# Altium PCB F103ZET6.PcbDoc (part 1 of 3)
Units mil, origin at the board's own origin, x right, y up, seen from the top; angles counter-clockwise.
Board outline 4625 x 2435 mil, 2 copper layers (Top Layer, Bottom Layer); 135 components, 144 nets, 623 pads, 269 vias.
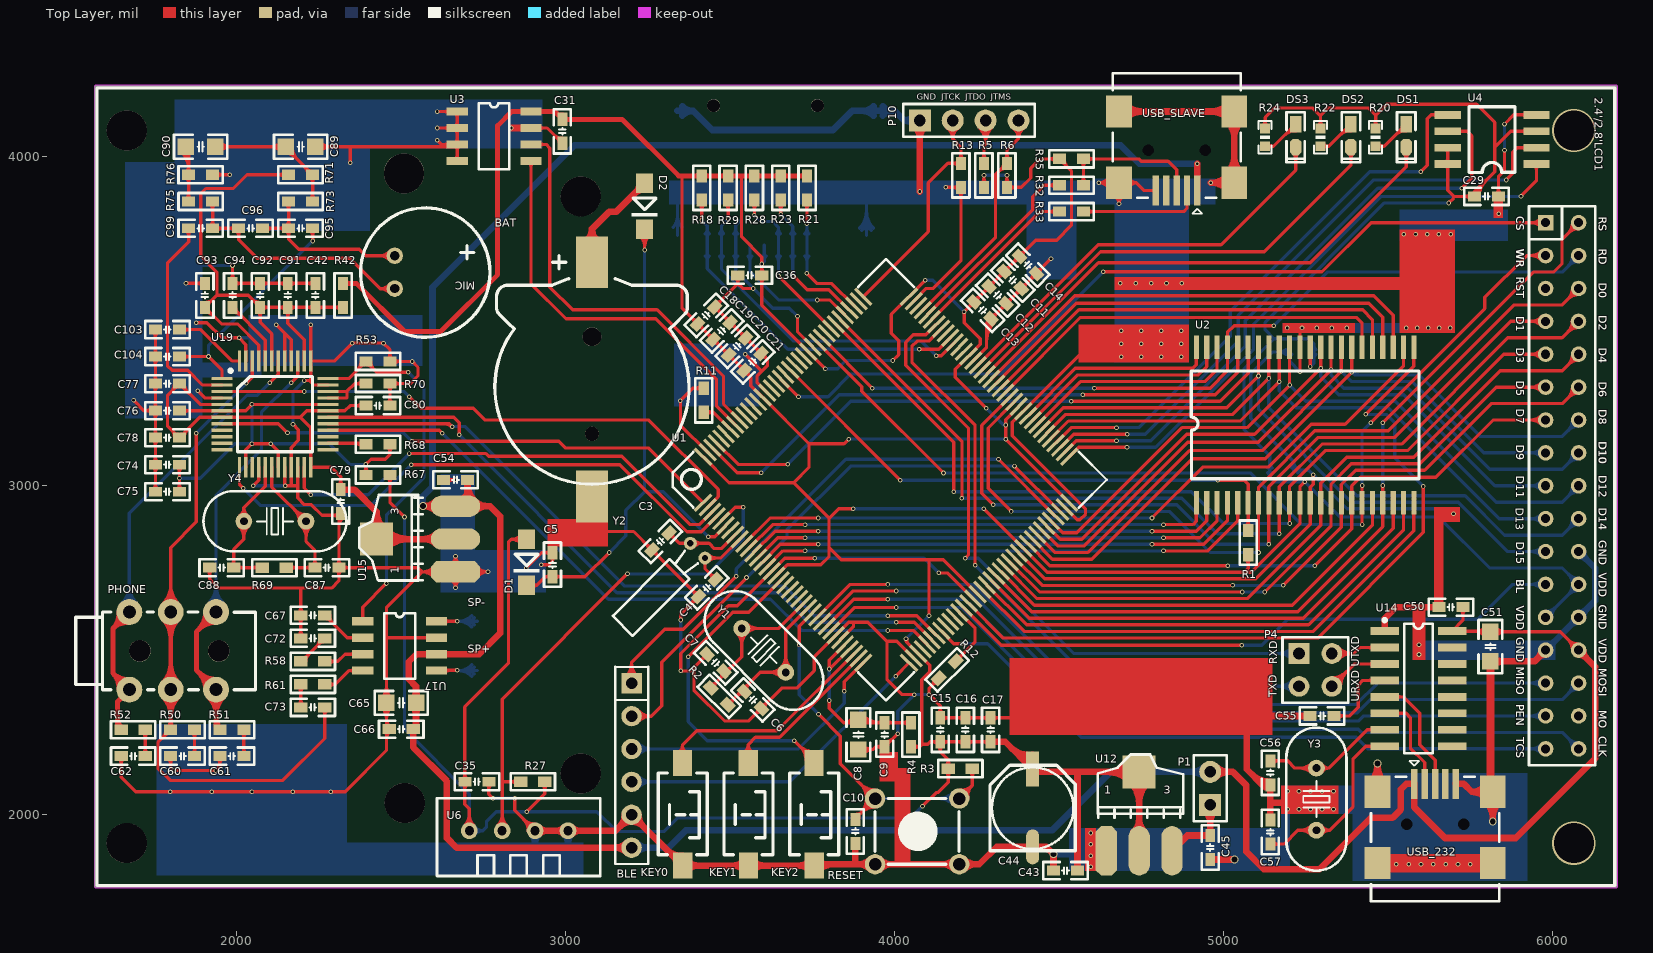
[diagram p0: Top Layer view]
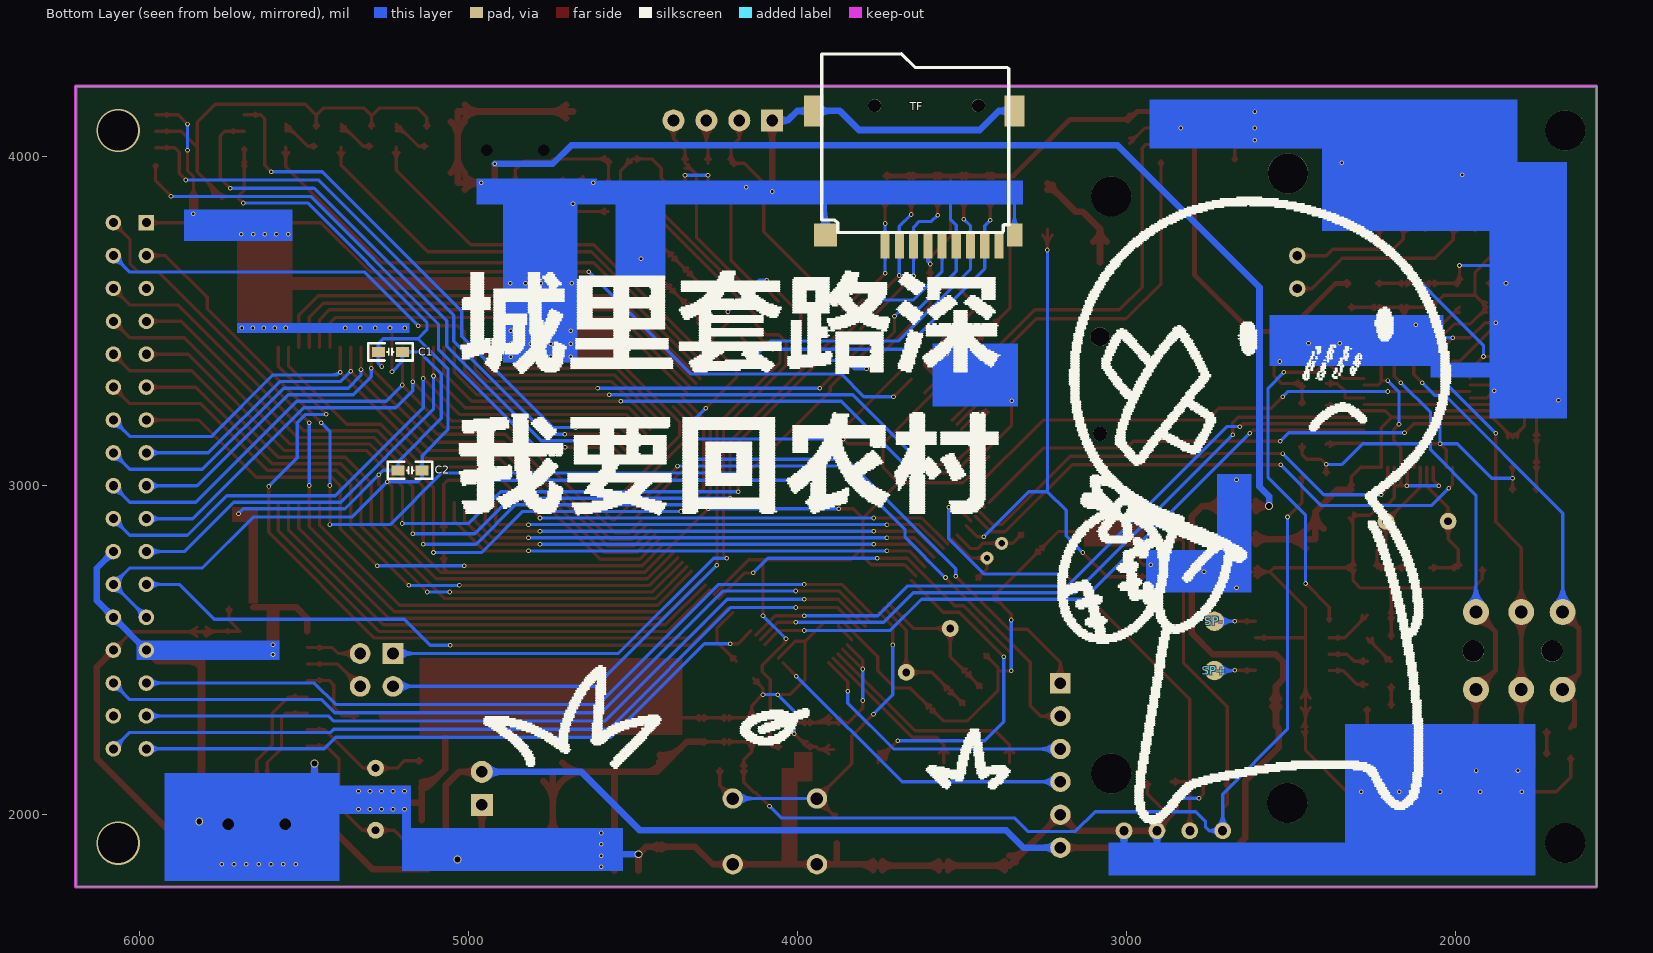
[diagram p1: Bottom Layer view, seen from below]

## Layer stack, top to bottom
Top Layer: signal copper 1.4
Dielectric: dielectric 12.6, FR-4, Dk 4.8
Bottom Layer: signal copper 1.4

## Board outline
1570,4215 1570,1780 6195,1780 6195,4215 1570,4215

## Design rules (kind name [scope] priority, off if disabled: settings)
Clearance [All] p1: gap=8
ComponentClearance [All] p1 off: gap=10 collisioncheckmode=3 verticalgap=10 showdistances=FALSE
HoleSize [All] p1: absolutevalues=TRUE maxlimit=200 minlimit=1 maxpercent=80.000 minpercent=20.000
MinimumSolderMaskSliver [All] p1: minsoldermaskwidth=0
PolygonConnect [All] p1: connectstyle=Relief reliefconductorwidth=10 reliefentries=4 polygonreliefangle="90 Angle"
RoutingVias [All] p1: holewidth=8 width=14 viastyle="Through Hole" minholewidth=8 minwidth=14 maxholewidth=48 maxwidth=54
ShortCircuit [All] p1: allowed=TRUE
SilkToSilkClearance [All] p1: silktosilkclearance=0
SilkscreenOverComponentPads [All] p1 off: minsilkscreentomaskgap=0
SolderMaskExpansion [All] p1: expansion=4
Width [All] p1: maxlimit=50 minlimit=8 preferedwidth=8 minimp=50.000000 maximp=50.000000 favimp=50.000000
22 further rules are at their usual default settings.

## Components (designator, comment, footprint, x,y, rotation, side; value= is the part's Value field where it differs from the comment)
2.4'/2.8'LCD1 "TFT_LCD" db2*17-4.3 5980,3800 r270 top locked
BAT "BATT" CR1220_A 3080,3300 r90 top
BLE "ATK MODULE" HEAD6 3200,2400 r270 top
C1 "104" "C 0603_M" 5238,3407 r0 bottom
C2 "104" "C 0603_M" 5178,3047 r180 bottom
C3 "10" "C 0603_M" 3288.28,2830.92 r45 top
C4 "10" "C 0603_M" 3429.71,2689.5 r225 top
C5 "104" "C 0603_M" 2960,2760 r270 top
C6 "22" "C 0603_M" 3569.4,2348.75 r135 top
C7 "22" "C 0603_M" 3456.26,2461.89 r315 top
C8 "10uF" "C 0805_M" 3890,2243 r90 top
C9 "104" "C 0603_M" 3970,2243 r90 top
C10 "104" "C 0603_M" 3881,1949 r90 top
C11 "104" "C 0603_M" 4359.6,3625.46 r135 top
C12 "104" "C 0603_M" 4313.73,3579.59 r135 top
C13 "104" "C 0603_M" 4267.86,3533.72 r135 top
C14 "104" "C 0603_M" 4405.46,3671.32 r135 top
C15 "104" "C 0603_M" 4139.2,2258 r270 top
C16 "104" "C 0603_M" 4215.6,2258 r270 top
C17 "104" "C 0603_M" 4292,2258 r270 top
C18 "104" "C 0603_M" 3427.37,3518.29 r225 top
C19 "104" "C 0603_M" 3474.51,3471.15 r225 top
C20 "104" "C 0603_M" 3521.65,3424.01 r225 top
C21 "104" "C 0603_M" 3568.79,3376.87 r225 top
C29 "104" "C 0603_M" 5800,3880 r0 top
C31 "104" "C 0603_M" 2990,4078 r270 top
C35 "104" "C 0603_M" 2730,2100 r180 top
C36 "104" "C 0603_M" 3560,3640 r0 top
C42 "104" "C 0603_M" 2239,3579 r270 top
C43 "104" "C 0603_M" 4520,1830 r0 top
C44 "220uF" "CT 6*6 - C" 4420,2020 r90 top
C45 "104" "C 0603_M" 4960,1900 r90 top
C50 "104" "C 0603_M" 5692,2631 r180 top
C51 "10uF" "C 0805_M" 5812,2511 r270 top
C54 "104" "C 0603_M" 2665,3018 r180 top
C55 "104" "C 0603_M" 5300,2300 r0 top
C56 "22" "C 0603_M" 5143,2127 r90 top
C57 "22" "C 0603_M" 5143,1947 r90 top
C60 "103" "C 0603_M" 1835,2178 r0 top
C61 "103" "C 0603_M" 1985,2178 r0 top
C62 "473" "C 0603_M" 1685,2178 r0 top
C65 "10uF" "C 0805_M" 2500,2340 r0 top
C66 "104" "C 0603_M" 2500,2260 r0 top
C67 "1uF" "C 0603_M" 2231,2606 r0 top
C72 "104" "C 0603_M" 2231,2536 r0 top
C73 "1uF" "C 0603_M" 2231,2326 r180 top
C74 "104" "C 0603_M" 1789,3064.17 r0 top
C75 "104" "C 0603_M" 1789,2982 r0 top
C76 "104" "C 0603_M" 1789,3228.5 r0 top
C77 "104" "C 0603_M" 1789,3310.67 r180 top
C78 "104" "C 0603_M" 1789,3146.33 r180 top
C79 "104" "C 0603_M" 2316,2952 r270 top
C80 "104" "C 0603_M" 2429,3244 r180 top
C87 "22" "C 0603_M" 2274,2751 r180 top
C88 "22" "C 0603_M" 1954,2751 r0 top
C89 "10uF" "C 0805_M" 2194,4031 r180 top
C90 "10uF" "C 0805_M" 1890,4031 r0 top
C91 "104" "C 0603_M" 2155,3579 r270 top
C92 "104" "C 0603_M" 2071,3579 r270 top
C93 "104" "C 0603_M" 1903,3579 r270 top
C94 "1uF" "C 0603_M" 1987,3579 r90 top
C95 "1uF" "C 0603_M" 2194,3783 r0 top
C96 "101" "C 0603_M" 2042,3783 r0 top
C99 "1uF" "C 0603_M" 1890,3783 r0 top
C103 "103" "C 0603_M" 1789,3475 r0 top
C104 "103" "C 0603_M" 1789,3392.83 r0 top
D1 "1N4148" DIODE_SOP 2881,2837 r270 top
D2 "1N4148" DIODE_SOP 3240,3920 r270 top
DS1 "LED1" "LED 0603R" 5555.94,4065 r270 top
DS2 "LED1" "LED 0603R" 5387.86,4065 r270 top
DS3 "LED1" "LED 0603R" 5219.78,4065 r270 top
KEY0 "KEY_M" "TSW SMD-3*6*2.5" 3356,2000 r270 top
KEY1 "KEY_M" "TSW SMD-3*6*2.5" 3556,2000 r270 top
KEY2 "KEY_M" "TSW SMD-3*6*2.5" 3756,2000 r270 top
MIC "MIC" MIC 2480,3700 r270 top
P1 "SWITCH" HDR2.54-LI-2P 4960,2080 r90 top
P4 "USART1" HDR2.54-LI-2x2P 5280,2440 r270 top
P10 "Header 4" HDR2.54-LI-4P 4227,4111 r0 top
PHONE "PHONE_M" PHONE_ST 1805,2498 r180 top
R1 "10K" "R 0603_M" 5075.46,2827 r270 top
R2 "1M" "R 0603_M" 3466.87,2359.36 r135 top
R3 "10K" "R 0603_M" 4200,2140 r180 top
R4 "10R" "R 0603_M" 4050,2243 r270 top
R5 "10K" "R 0603_M" 4272,3944 r270 top
R6 "10K" "R 0603_M" 4342,3944 r270 top
R11 "10K" "R 0603_M" 3420,3260 r90 top
R12 "10K" "R 0603_M" 4160,2440 r225 top
R13 "10K" "R 0603_M" 4202,3944 r270 top
R18 "47K" "R 0603_M" 3414,3906 r90 top
R20 "510" 0603P 5463.22,4060 r270 top
R21 "47K" "R 0603_M" 3734,3906 r90 top
R22 "510" 0603P 5295.14,4060 r270 top
R23 "47K" "R 0603_M" 3654,3906 r90 top
R24 "510" 0603P 5127.06,4060 r270 top
R27 "4.7K" "R 0603_M" 2900,2100 r180 top
R28 "47K" "R 0603_M" 3574,3906 r90 top
R29 "47K" "R 0603_M" 3494,3906 r90 top
R32 "10R" "R 0603_M" 4538,3914 r180 top
R33 "10R" "R 0603_M" 4538,3834 r180 top
R35 "1.5K" "R 0603_M" 4538,3994 r180 top
R42 "10" "R 0603_M" 2323,3579 r90 top
R50 "10R" "R 0603_M" 1835,2258 r180 top
R51 "10R" "R 0603_M" 1985,2258 r180 top
R52 "10R" "R 0603_M" 1685,2258 r180 top
R53 "10K" "R 0603_M" 2429,3378 r180 top
R58 "10K" "R 0603_M" 2231,2466 r0 top
R61 "10K" "R 0603_M" 2231,2396 r0 top
R67 "0" "R 0603_M" 2429,3033 r0 top
R68 "100K" "R 0603_M" 2429,3126.33 r0 top
R69 "1M" "R 0603_M" 2114,2751 r180 top
R70 "100K" "R 0603_M" 2429,3311 r180 top
R71 "1K" "R 0603_M" 2194,3946 r180 top
R73 "1K" "R 0603_M" 2194,3864.5 r0 top
R75 "1K" "R 0603_M" 1890,3864.5 r0 top
R76 "1K" "R 0603_M" 1890,3946 r0 top
RESET "KEY_M" KEY_M 3941,2049 r0 top
SP+ "SPK+" TP-1.5#1 2732,2435 r270 top
SP- "SPK-" TP-1.5#2 2732,2595 r0 top
TF "TF_CARD" TF_CARD 3340,4140 r0 bottom
U1 "STM32F103ZET6" LQFP144 3418,2949 r45 top locked
U2 "IS62WV51216" TSOP44 4918,2949 r90 top locked
U3 "24C02" SOP-8 2670,4138 r0 top
U4 "W25Q128" SOIC-8 5952,3978 r180 top
U6 "DHT11&DS18B20" DHT11 2707,1951 r0 top
U12 "AMS1117-3.3" AMS1117 4644,1890 r0 top
U14 "CH340G" SOP16M 5593,2383 r270 top
U15 "AMS1117-1.8" AMS1117 2665,2738 r90 top
U17 "HT6872" SOP-8 2383,2588 r0 top
U19 "VS1053B" mTQFP48 2121,3275 r0 top locked
USB_232 "USB" USB-MINI-A 5644,1971 r0 top
USB_SLAVE "USB" USB-MINI-A 4858,4020 r180 top
Y1 "8MHz" "OSC HC-49S" 3602.64,2499.36 r135 top
Y2 "32.768K" OSC-2x6-WI-A 3401.42,2802.63 r135 top
Y3 "12MHz" "OSC HC-49S" 5283,2047 r270 top
Y4 "12.288MHz" "OSC HC-49S" 2116,2892 r180 top

## Footprints (in the part's own frame and the unit in brackets; to place one, negate y for a bottom-side part, rotate by r counter-clockwise, add the part's x,y. Pads: shape width x height; smd on the part's side, far side on the other; paste and mask are expansions set on the pad)
0603P [mil]
  rect 30x30 smd: 1(-27,0) 2(27.5,-0.06)
  silkscreen extent -50,-20 50,20
AMS1117 [mil]
  oct 65x150 smd: 1(0.03,-0.06)
  oval 65x150 smd: 2(100.03,-0.06) 3(200.03,-0.06)
  rect 100x100 smd: 4(100.03,239.94)
  silkscreen extent -26,100 234,293
"C 0603_M" [mil] "无极性贴片电容"
  rect 40x30 smd: 1(-36.5,0) 2(36.5,0)
  silkscreen extent -67,-26 68,26, body extent -31,-16 31,16, height 32
"C 0805_M" [mil] "无极性贴片电容"
  rect 50x50 smd: 1(-45,0) 2(45,0)
  silkscreen extent -81,-36 81,36, body extent -39,-24 39,24, height 20
CR1220_A [mm] "纽扣电池座"
  round 1.1 hole 1.1: 0(-3.6,0)
  round 1.45 hole 1.45: 0(3.9,0)
  rect 4x2.5 smd: 1(9.652,0) 2(-8.458,0)
  silkscreen extent -7.5,-7.5 10.16,7.5, body extent -9.42,-7.45 10.34,7.45, height 4.05
"CT 6*6 - C" [mm] "直径6mm，高6mm"
  rect 2.7x1 smd: 1(3,0)
  oval 2.7x1 smd: 2(-3,0)
  silkscreen extent -3.3,-3.3 3.3,3.3, body extent -3.5,-3.15 3.5,3.15, height 6
db2*17-4.3 [mm]
  rect 1.2x1.2 hole 0.7: 1(-0.002,0.006)
  round 1.2 hole 0.7: 2(-0.002,2.546) 3(2.538,0.006) 4(2.538,2.546) 5(5.08,0) 6(5.078,2.546) 7(7.62,0) 8(7.62,2.54) 9(10.158,0.006) 10(10.158,2.546) 11(12.698,0.006) 12(12.698,2.546) 13(15.238,0.006) 14(15.238,2.546) 15(17.778,0.006) 16(17.778,2.546) 17(20.318,0.006) 18(20.318,2.546) 19(22.858,0.006) 20(22.858,2.546) 21(25.398,0.006) 22(25.398,2.546) 23(27.938,0.006) 24(27.938,2.546) 25(30.478,0.006) 26(30.478,2.546) 27(33.018,0.006) 28(33.018,2.546) 29(35.558,0.006) 30(35.558,2.546) 31(38.098,0.006) 32(38.098,2.546) 33(40.638,0.006) 34(40.638,2.546)
  round 3.1 hole 3.1: ""(-7.125,-109.596) ""(-3.81,-88.18) ""(-2.037,-74.525) ""(42.54,-74.525) ""(44.82,-88.12) ""(47.925,-109.596)
  silkscreen extent -10.4,-111.89 51.19,5.33
DHT11 [mm]
  round 1.3 hole 0.7: 1(0,0) 2(2.54,0) 3(5.08,0) 4(7.62,0)
  silkscreen extent -2.5,-3.5 10.12,2.5
DIODE_SOP [mm]
  rect 1.5x1.3 smd: 1(0,0) 2(3.556,0)
  silkscreen extent 1.14,-1.02 2.56,1.02
HDR2.54-LI-2P [mm] "排针，2脚"
  rect 1.7x1.7 hole 0.9: 1(-1.27,0)
  round 1.7 hole 0.9: 2(1.27,0)
  silkscreen extent -2.54,-1.27 2.54,1.27, body extent -2.54,-1.27 2.54,1.27, height 8.5
HDR2.54-LI-2x2P [mm] "双排排针，2x2脚"
  rect 1.6x1.6 hole 0.9: 1(-1.27,-1.27)
  round 1.6 hole 0.9: 2(-1.27,1.27) 3(1.27,-1.27) 4(1.27,1.27)
  silkscreen extent -2.54,-2.54 2.54,2.54, body extent -2.54,-2.54 2.54,2.54, height 8.5
HDR2.54-LI-4P [mm] "排针，4脚"
  rect 1.7x1.7 hole 0.9: 1(-3.81,0)
  round 1.7 hole 0.9: 2(-1.27,0) 3(1.27,0) 4(3.81,0)
  silkscreen extent -5.08,-1.27 5.08,1.27, body extent -5.08,-1.27 5.08,1.27, height 8.5
HEAD6 [mil]
  rect 62x62 hole 35: 1(0.42,0.42)
  round 62 hole 35: 2(100.42,0.42) 3(200.42,0.42) 4(300.42,0.42) 5(400.42,0.42) 6(500.42,0.42)
  silkscreen extent -50,-50 550,51
KEY_M [mil]
  round 62 hole 38: 1(0,0) 1(255.91,0) 2(0,-200) 2(255.91,-200)
  silkscreen extent 0,-200 255,0
"LED 0603R" [mil] "红色0603LED"
  rect 50x35 smd: 1(-35,0.26)
  oct 50x35 smd: 2(35,0.26)
  silkscreen extent -71,-28 81,28, body extent -31,-16 31,16, height 24
LQFP144 [mil]
  rect 70.87x10 smd: 1(-0.36,0.02) 2(-0.35,-19.66) 3(-0.35,-39.35) 4(-0.35,-59.03) 5(-0.35,-78.72) 6(-0.35,-98.4) 7(-0.35,-118.09) 8(-0.35,-137.77) 9(-0.35,-157.46) 10(-0.35,-177.14) 11(-0.35,-196.83) 12(-0.36,-216.51) 13(-0.35,-236.2) 14(-0.35,-255.88) 15(-0.35,-275.57) 16(-0.35,-295.25) 17(-0.35,-314.94) 18(-0.35,-334.62) 19(-0.35,-354.31) 20(-0.35,-373.99) 21(-0.36,-393.68) 22(-0.35,-413.36) 23(-0.35,-433.05) 24(-0.35,-452.73) 25(-0.35,-472.42) 26(-0.35,-492.1) 27(-0.35,-511.79) 28(-0.35,-531.47) 29(-0.35,-551.16) 30(-0.35,-570.84) 31(-0.35,-590.53) 32(-0.36,-610.21) 33(-0.35,-629.9) 34(-0.35,-649.58) 35(-0.35,-669.27) 36(-0.35,-688.95) 73(885.47,-688.95) 74(885.47,-669.27) 75(885.47,-649.58) 76(885.47,-629.9) 77(885.47,-610.21) 78(885.47,-590.53) 79(885.47,-570.84) 80(885.47,-551.16) 81(885.47,-531.47) 82(885.47,-511.79) 83(885.47,-492.1) 84(885.47,-472.42) 85(885.47,-452.73) 86(885.47,-433.05) 87(885.47,-413.36) 88(885.47,-393.68) 89(885.47,-373.99) 90(885.47,-354.31) 91(885.47,-334.62) 92(885.47,-314.94) 93(885.47,-295.25) 94(885.47,-275.57) 95(885.47,-255.88) 96(885.47,-236.2) 97(885.47,-216.51) 98(885.47,-196.83) 99(885.47,-177.14) 100(885.47,-157.46) 101(885.47,-137.77) 102(885.47,-118.09) 103(885.47,-98.4) 104(885.47,-78.72) 105(885.47,-59.03) 106(885.47,-39.35) 107(885.47,-19.66) 108(885.47,0.02)
  rect 10x70.87 smd: 37(98.07,-787.37) 38(117.76,-787.38) 39(137.44,-787.38) 40(157.13,-787.38) 41(176.81,-787.38) 42(196.5,-787.38) 43(216.18,-787.38) 44(235.87,-787.38) 45(255.55,-787.38) 46(275.24,-787.38) 47(294.92,-787.37) 48(314.61,-787.37) 49(334.29,-787.38) 50(353.98,-787.38) 51(373.66,-787.38) 52(393.35,-787.38) 53(413.03,-787.38) 54(432.72,-787.38) 55(452.4,-787.38) 56(472.09,-787.38) 57(491.77,-787.37) 58(511.46,-787.37) 59(531.14,-787.38) 60(550.83,-787.38) 61(570.51,-787.38) 62(590.2,-787.38) 63(609.88,-787.38) 64(629.57,-787.38) 65(649.25,-787.38) 66(668.94,-787.38) 67(688.62,-787.37) 68(708.31,-787.37) 69(727.99,-787.38) 70(747.68,-787.38) 71(767.36,-787.38) 72(787.05,-787.38) 109(787.05,98.45) 110(767.36,98.45) 111(747.68,98.45) 112(727.99,98.45) 113(708.31,98.45) 114(688.62,98.45) 115(668.94,98.45) 116(649.25,98.45) 117(629.57,98.45) 118(609.88,98.45) 119(590.2,98.45) 120(570.51,98.45) 121(550.83,98.45) 122(531.14,98.45) 123(511.46,98.45) 124(491.77,98.45) 125(472.09,98.45) 126(452.4,98.45) 127(432.72,98.45) 128(413.03,98.45) 129(393.35,98.45) 130(373.66,98.45) 131(353.98,98.45) 132(334.29,98.45) 133(314.61,98.45) 134(294.92,98.45) 135(275.24,98.45) 136(255.55,98.45) 137(235.87,98.45) 138(216.18,98.45) 139(196.5,98.45) 140(176.81,98.45) 141(157.13,98.45) 142(137.44,98.45) 143(117.76,98.45) 144(98.07,98.45)
  silkscreen extent -32,-819 917,130
MIC [mil]
  round 50 hole 28: 1(0.42,0.29) 2(100.42,0.29)
  silkscreen extent -145,-103 248,290
mTQFP48 [mm]
  rect 1.6x0.254 smd: 1(-4.223,1.3) 2(-4.223,0.8) 3(-4.223,0.3) 4(-4.223,-0.2) 5(-4.223,-0.7) 6(-4.223,-1.2) 7(-4.223,-1.7) 8(-4.223,-2.2) 9(-4.223,-2.7) 10(-4.223,-3.2) 11(-4.223,-3.7) 12(-4.223,-4.2) 25(3.977,-4.2) 26(3.977,-3.7) 27(3.977,-3.2) 28(3.977,-2.7) 29(3.977,-2.2) 30(3.977,-1.7) 31(3.977,-1.2) 32(3.977,-0.7) 33(3.977,-0.2) 34(3.977,0.3) 35(3.977,0.8) 36(3.977,1.3)
  rect 0.254x1.6 smd: 13(-2.873,-5.55) 14(-2.373,-5.55) 15(-1.873,-5.55) 16(-1.373,-5.55) 17(-0.873,-5.55) 18(-0.373,-5.55) 19(0.127,-5.55) 20(0.627,-5.55) 21(1.127,-5.55) 22(1.627,-5.55) 23(2.127,-5.55) 24(2.627,-5.55) 37(2.627,2.65) 38(2.127,2.65) 39(1.627,2.65) 40(1.127,2.65) 41(0.627,2.65) 42(0.127,2.65) 43(-0.373,2.65) 44(-0.873,2.65) 45(-1.373,2.65) 46(-1.873,2.65) 47(-2.373,2.65) 48(-2.873,2.65)
  silkscreen extent -3.68,-4.35 2.78,2.03
"OSC HC-49S" [mm]
  round 1.3 hole 0.6: 1(-2.4,0) 2(2.4,0)
  silkscreen extent -5.52,-2.32 5.52,2.33, body extent -6.49,-6.49 6.49,6.49, height 4.13
OSC-2x6-WI-A [mm] "脚距：1.6mm"
  round 1 hole 0.5: 1(0.8,0) 2(-0.8,0)
  silkscreen extent -1.1,0.7 1.07,8.2, body extent -4.95,-1.01 4.95,8.88, height 2.05
PHONE_ST [mm]
  round 1.676 hole 1.676: 0(-3.556,0) 0(2.54,0)
  round 2 hole 1: 1(-3.35,3) 1(-3.35,-3) 2(0.15,3) 2(0.15,-3) 3(3.35,3) 3(3.35,-3)
  silkscreen extent -6.39,-3.01 7.49,3
"R 0603_M" [mil] "1/10W贴片电阻"
  rect 40x31.5 smd: 1(-36.5,0) 2(36.5,0)
  silkscreen extent -68,-26 67,26, body extent -31,-16 31,16, height 16
SOIC-8 [mil]
  rect 80x24 smd: 1(0,0) 2(0,-50.06) 3(0,-100.06) 4(0,-150.06) 5(270,-150) 6(270,-100) 7(270,-50) 8(270,0)
  silkscreen extent 65,-175 205,25
SOP16M [mm]
  rect 0.6x2.2 smd: 1(-4.445,-2.6) 2(-3.175,-2.6) 3(-1.905,-2.6) 4(-0.635,-2.6) 5(0.635,-2.6) 6(1.905,-2.6) 7(3.175,-2.6) 8(4.445,-2.6) 9(4.445,2.6) 10(3.175,2.6) 11(1.905,2.6) 12(0.635,2.6) 13(-0.635,2.6) 14(-1.905,2.6) 15(-3.175,2.6) 16(-4.445,2.6)
  silkscreen extent -5.42,-2.72 5,1.1
SOP-8 [mil]
  rect 65x25 smd: 1(0,0) 2(0,-50) 3(0,-100) 4(0,-150) 5(224.41,-150) 6(224.41,-100) 7(224.41,-50) 8(224.41,0)
  silkscreen extent 65,-175 159,25
TF_CARD [mm]
  rect 0.7x2.1 smd: 1(10,10.35) 2(8.9,10.35) 3(7.8,10.35) 4(6.7,10.35) 5(5.6,10.35) 6(4.5,10.35) 7(3.4,10.35) 8(2.3,10.35) 9(1.2,10.35)
  rect 1.2x1.778 smd: 10(0,9.6)
  rect 1.524x2.413 smd: 11(0,0) 12(15.5,0)
  rrect0% 1.778x1.778 smd: 13(14.6,9.6)
  round 1 hole 1: 14(10.8,-0.4) 15(2.8,-0.4)
  silkscreen extent 0.41,-4.42 14.88,9.4
TP-1.5#1 [mm]
  round 1.5 smd far side: 1(-0.076,0)
TP-1.5#2 [mm]
  round 1.5 smd far side: 1(0,-0.178)
TSOP44 [mm]
  rect 1.8x0.4 smd: 1(-0.009,0.001) 2(-0.009,-0.799) 3(-0.009,-1.599) 4(-0.009,-2.399) 5(-0.009,-3.199) 6(-0.009,-3.999) 7(-0.009,-4.799) 8(-0.009,-5.599) 9(-0.009,-6.399) 10(-0.009,-7.199) 11(-0.009,-7.999) 12(-0.009,-8.799) 13(-0.009,-9.599) 14(-0.009,-10.399) 15(-0.009,-11.199) 16(-0.009,-11.999) 17(-0.009,-12.799) 18(-0.009,-13.599) 19(-0.009,-14.399) 20(-0.009,-15.199) 21(-0.009,-15.999) 22(-0.009,-16.799) 23(11.991,-16.799) 24(11.991,-15.999) 25(11.991,-15.199) 26(11.991,-14.399) 27(11.991,-13.599) 28(11.991,-12.799) 29(11.991,-11.999) 30(11.991,-11.199) 31(11.991,-10.399) 32(11.991,-9.599) 33(11.991,-8.799) 34(11.991,-7.999) 35(11.991,-7.199) 36(11.991,-6.399) 37(11.991,-5.599) 38(11.991,-4.799) 39(11.991,-3.999) 40(11.991,-3.199) 41(11.991,-2.399) 42(11.991,-1.599) 43(11.991,-0.799) 44(11.991,0.001)
  silkscreen extent 1.83,-17.2 10.16,0.4
"TSW SMD-3*6*2.5" [mm] "3*6*2.5mm"
  rect 2x1.5 smd: 1(-3.996,-0.02) 2(3.937,0)
  silkscreen extent -3.21,-1.9 3.09,1.9, body extent -4,-1.88 4,1.62, height 2.59
USB-MINI-A [mm] "MINI型USB，7.9*7.5*4.1mm"
  rect 0.5x2.3 smd: 1(-1.6,3.108) 2(-0.8,3.108) 3(0,3.108) 4(0.8,3.108) 5(1.6,3.108)
  rect 2x2.5 smd: 5(-4.45,-3) 5(-4.45,2.5) 5(4.45,-3) 5(4.45,2.5)
  round 0.6 hole 0.9 unplated: MH1(2.2,0) MH2(-2.2,0)
  silkscreen extent -4.95,-5.95 4.95,4.89, body extent -4.75,-6 4.75,3.7, height 3.95

## Part data
BAT: library part BAT
BLE: library part ATK-HC05, "ATK-HC05"
C1 C2 C3 C4 C5 C6 C7 C8 C9 C10 C11 C12 C13 C14 C15 C16 C17 C18 C19 C20 C21 C29 C31 C35 C36 C42 C43 C45 C50 C51 C54 C55 C56 C57 C60 C61 C62 C65 C66 C67 C72 C73 C74 C75 C76 C77 C78 C79 C80 C87 C88 C89 C90 C91 C92 C93 C94 C95 C96 C99 C103 C104: library part C
C44: library part CAP
D1 D2: library part D
DS1 DS2 DS3: library part LED2, "Typical RED, GREEN, YELLOW, AMBER GaAs LED"
P1: library part "Header 2", "Header, 2-Pin"
P4: library part "Header 2X2", "Header, 2-Pin, Dual row"
P10: "Header, 4-Pin"
R1 R2 R3 R4 R5 R6 R11 R12 R13 R18 R20 R21 R22 R23 R24 R27 R28 R29 R32 R33 R35 R42 R50 R51 R52 R53 R58 R61 R67 R68 R69 R70 R71 R73 R75 R76: library part R
SP+ SP-: library part TEST-POINT, "测试点"
U2: library part IS61LV51216
U3: library part 24C256
U4: library part W25X16, "W25X16;SST25VF016;MX25L1605"
U6: library part DHT11, "数字温湿度传感器"
U12 U15: library part AMS1117
U14: "USB2UART"
U17: library part HT6871, "HT6871"
U19: library part VS1053
USB_232 USB_SLAVE: library part USB5
Y1 Y2 Y3 Y4: library part XTAL, "Crystal Oscillator"

## Via types
v1: diameter 14, hole 8, Top Layer to Bottom Layer, 262 vias
v2: diameter 24, hole 18, Top Layer to Bottom Layer, 5 vias
v3: diameter 132, hole 122.05, Top Layer to Bottom Layer, 2 vias

## Nets (pads, with @x,y where several pads share a name; then routed paths per layer and width w, separated by ;. In a path a pad name is that pad's centre, name@x,y a point inside that pad or via, vN(x,y) a via of type N, cw(c..) or ccw(c..) an arc to the next point about the centre after c; other vN are vias at no path point)
AVDD: C42.2 C91.2 C92.2 C93.2 R42.1 R71.2 U19.38 U19.43 U19.45 | length 2153.6
  Top Layer w10: C93.2@1903,3527.5 cw(c1903,3491.29) 1928.61,3516.89 ; C93.2@1903,3557.5 ccw(c1903,3593.71) 1928.61,3568.11 ; C93.2@1913,3537.5 ccw(c1925.07,3537.5) C93.2@1916.53,3528.96 ; C93.2@1913,3547.5 cw(c1925.07,3547.5) C93.2@1916.53,3556.04 ; 2045.39,3568.11 ccw(c2071,3593.71) C92.2@2071,3557.5 ; C92.2@2057.46,3556.04 cw(c2048.93,3547.5) C92.2@2061,3547.5 ; C92.2@2063.93,3530.43 cw(c2046.86,3513.36) 2071,3513.36 cw(c2095.14,3513.36) C92.2@2078.07,3530.43 ; U19.45@2066.95,3379.33 2066.95,3428.05 2003,3492 1953.5,3492 C93.2@1903,3542.5 1939.5,3579 ; C92.2@2078.07,3535.43 cw(c2095.14,3518.36) 2095.14,3542.5 cw(c2095.14,3566.64) C92.2@2078.07,3549.57 ; U19.43@2106.32,3379.33 2106.32,3461.68 2071,3497 C92.2@2071,3542.5 ; R71.2@2145.65,3938.4 ccw(c2127.3,3920.05) 2127.3,3946 ccw(c2127.3,3971.95) R71.2@2145.65,3953.6 ; C91.2@2147.93,3530.43 cw(c2130.86,3513.36) 2155,3513.36 cw(c2179.14,3513.36) C91.2@2162.07,3530.43 ; C91.2@2147.93,3535.43 ccw(c2130.86,3518.36) 2130.86,3542.5 ccw(c2130.86,3566.64) C91.2@2147.93,3549.57 ; R71.2@2157.5,3946 2031,3946 1989,3904 1906,3904 1890,3888 1890,3699 1939.5,3649.5 1939.5,3579 ; C91.2@2162.07,3535.43 cw(c2179.14,3518.36) 2179.14,3542.5 cw(c2179.14,3566.64) C91.2@2162.07,3549.57 ; U19.38@2204.74,3379.33 2204.74,3444.26 2155,3494 C91.2@2155,3542.5 ; C42.2@2231.93,3535.43 ccw(c2214.86,3518.36) 2214.86,3542.5 ccw(c2214.86,3566.64) C42.2@2231.93,3549.57 ; C42.2@2246.07,3535.43 cw(c2263.14,3518.36) 2263.14,3542.5 cw(c2263.14,3566.64) C42.2@2246.07,3549.57 ; R42.1@2315.4,3534.9 ccw(c2297.05,3516.55) 2297.05,3542.5 ccw(c2297.05,3568.45) R42.1@2315.4,3550.1 ; R42.1@2323,3542.5 C42.2@2239,3542.5 C91.2@2155,3542.5 ; 1939.5,3579 2034.5,3579 C92.2@2071,3542.5 ; C92.2@2071,3542.5 C91.2@2155,3542.5
BEEP: U1.129
BOOT0: R11.1 U1.138 | length 143.6
  Top Layer w10: R11.1@3420,3223.5 3449.23,3223.5 U1.138@3501.25,3171.48 ; R11.1@3427.6,3215.9 cw(c3445.95,3197.55) 3445.95,3223.5 cw(c3445.95,3249.45) R11.1@3427.6,3231.1
BOOT1: R12.1 U1.48 | length 234
  Top Layer w10: R12.1@4185.81,2465.81 4245,2525 4245,2566.92 U1.48@4197.22,2614.7 ; R12.1@4188.82,2479.56 ccw(c4188.82,2505.51) 4207.16,2487.16 ccw(c4225.51,2468.82) R12.1@4199.56,2468.82
CH340_RXD: P4.4 U14.3 | length 377.7
  Top Layer w10: P4.4@5330,2390 5398,2458 U14.3@5490.64,2458 ; P4.4@5330,2406.5 ccw(c5330,2446.32) 5358.16,2418.16 ccw(c5386.32,2390) P4.4@5346.5,2390 ; P4.4@5330,2416.5 ccw(c5330,2480.46) 5375.23,2435.23 ccw(c5420.46,2390) P4.4@5356.5,2390 ; U14.3@5454.33,2453.18 ccw(c5442.7,2441.56) 5442.7,2458 ccw(c5442.7,2474.44) U14.3@5454.33,2462.82
CH340_TXD: P4.2 U14.2 | length 357
  Top Layer w10: P4.2@5330,2490 5397,2490 5415,2508 U14.2@5490.64,2508 ; P4.2@5341.66,2478.34 cw(c5369.82,2450.18) 5369.82,2490 cw(c5369.82,2529.82) P4.2@5341.66,2501.66 ; P4.2@5348.74,2471.26 cw(c5393.97,2426.03) 5393.97,2490 cw(c5393.97,2553.97) P4.2@5348.74,2508.74 ; U14.2@5454.33,2503.18 ccw(c5442.7,2491.56) 5442.7,2508 ccw(c5442.7,2524.44) U14.2@5454.33,2512.82
DHT11: R27.2 U1.5 U6.2 | length 1689.4
  Top Layer w10: U6.2@2792.44,1965.56 ccw(c2757.29,2000.71) 2807,2000.71 ccw(c2856.71,2000.71) U6.2@2821.56,1965.56 ; U6.2@2807,1951 2807,2351 v1(3188,2732) ; 2808,2100 R27.2@2863.5,2100 ; R27.2@2851.65,2092.4 ccw(c2833.3,2074.05) 2833.3,2100 ccw(c2833.3,2125.95) R27.2@2851.65,2107.6 ; U1.5@3473.41,2893.09 3515.32,2935 v1(3540,2935)
  Bottom Layer w10: v1(3188,2732) 3433,2732 3540,2839 v1(3540,2935)
F_CS: U1.73 U4.1 | length 1890.9
  Top Layer w10: U1.73@4531.29,3087.96 4560.33,3117 v1(4707,3117) ; v1(5905,3880) 5952,3927 U4.1@5952,3978 ; U4.1@5947.05,3973.05 cw(c5935.1,3961.1) 5952,3961.1 cw(c5968.9,3961.1) U4.1@5956.95,3973.05
  Bottom Layer w10: v1(4707,3117) 4794,3117 5092,3415 5092,3492 5480,3880 v1(5905,3880)
FSMC_A0: U1.10 U2.24 | length 2285.6
  Top Layer w10: U1.10@3543.01,2823.49 3621.52,2902 v1(3768,2902) ; v1(4783,2902) 4783,2902.46 4937.54,3057 5137,3057 5267,3187 5370,3187 5547.9,3364.9 U2.24@5547.9,3421.09
  Bottom Layer w10: v1(3768,2902) v1(4783,2902)
FSMC_A1: U1.11 U2.1 | length 1451.9
  Top Layer w10: U1.11@3556.93,2809.57 3629.35,2882 v1(3728,2882) ; v1(4818,2882) 4908,2882 4917.98,2891.98 U2.1@4917.98,2948.65
  Bottom Layer w10: v1(3728,2882) v1(4818,2882)
FSMC_A2: U1.12 U2.2 | length 1474.3
  Top Layer w10: U1.12@3570.85,2795.65 3637.19,2862 v1(3768,2862) ; v1(4783,2862) 4918,2862 4949.47,2893.47 U2.2@4949.47,2948.65
  Bottom Layer w10: v1(3768,2862) v1(4783,2862)
FSMC_A3: U1.13 U2.3 | length 1497.4
  Top Layer w10: U1.13@3584.77,2781.73 3645.03,2842 v1(3728,2842) ; v1(4818,2842) 4929,2842 4980.97,2893.97 U2.3@4980.97,2948.65
  Bottom Layer w10: v1(3728,2842) v1(4818,2842)
FSMC_A4: U1.14 U2.4 | length 1521
  Top Layer w10: U1.14@3598.69,2767.81 3652.87,2822 v1(3768,2822) ; v1(4783,2822) 4941,2822 5012.46,2893.46 U2.4@5012.46,2948.65
  Bottom Layer w10: v1(3768,2822) v1(4783,2822)
FSMC_A5: U1.15 U2.5 | length 1544.6
  Top Layer w10: U1.15@3612.6,2753.9 3660.71,2802 v1(3728,2802) ; v1(4818,2802) 4953,2802 5043.96,2892.96 U2.5@5043.96,2948.65
  Bottom Layer w10: v1(3728,2802) v1(4818,2802)
FSMC_A6: U1.50 U2.23 | length 2292.2
  Top Layer w10: U1.50@4225.06,2642.54 4330.6,2537 5287,2537 5608,2858 v1(5608,2998) ; v1(5433,3217) 5579.39,3363.39 U2.23@5579.39,3421.09
  Bottom Layer w10: v1(5433,3217) 5495,3217 5521,3191 5521,3085 v1(5608,2998)
FSMC_A7: U1.53 U2.22 | length 1577.5
  Top Layer w10: U1.53@4266.82,2684.3 4394.11,2557 5273,2557 5579.39,2863.39 U2.22@5579.39,2948.65
FSMC_A8: U1.54 U2.21 | length 1519.8
  Top Layer w10: U1.54@4280.74,2698.22 4401.95,2577 5259,2577 5547.9,2865.9 U2.21@5547.9,2948.65
FSMC_A9: U1.55 U2.20 | length 1460.9
  Top Layer w10: U1.55@4294.65,2712.14 4409.79,2597 5243,2597 5516.4,2870.4 U2.20@5516.4,2948.65
FSMC_A10: 2.4'/2.8'LCD1.2 U1.56 U2.19 | length 2605.9
  Top Layer w10: U1.56@4308.57,2726.06 4417.63,2617 5226,2617 5484.91,2875.91 U2.19@5484.91,2948.65 v1(5484.91,3000.91) ; v1(5484.91,3192) 5942.91,3650 6004,3650 6030,3676 6030,3749.84 2.4'/2.8'LCD1.2@6080.24,3800.08 ; 2.4'/2.8'LCD1.2@6061.61,3800.08 cw(c6016.66,3800.08) 6048.45,3768.29 cw(c6080.24,3736.5) 2.4'/2.8'LCD1.2@6080.24,3781.46
  Bottom Layer w10: v1(5484.91,3000.91) v1(5484.91,3192)
FSMC_A11: U1.57 U2.18 | length 1342.6
  Top Layer w10: U1.57@4322.49,2739.98 4425.47,2637 5210,2637 5453.41,2880.41 U2.18@5453.41,2948.65
FSMC_A12: U1.87 U2.28 | length 1260.8
  Top Layer w10: U1.87@4336.41,3282.83 4565.58,3512 5404,3512 5421.91,3494.09 U2.28@5421.91,3421.09
FSMC_A13: U1.88 U2.27 | length 1326.3
  Top Layer w10: U1.88@4322.49,3296.75 4560.74,3535 5424,3535 5453.41,3505.59 U2.27@5453.41,3421.09
FSMC_A14: U1.89 U2.26 | length 1386.3
  Top Layer w10: U1.89@4308.58,3310.67 4552.9,3555 5442,3555 5484.91,3512.09 U2.26@5484.91,3421.09
FSMC_A15: U1.90 U2.25 | length 1448.8
  Top Layer w10: U1.90@4294.66,3324.59 4548.06,3578 5457,3578 5516.4,3518.6 U2.25@5516.4,3421.09
FSMC_A16: U1.80 U2.42 | length 684.1
  Top Layer w10: U1.80@4433.85,3185.4 4565.45,3317 4944,3317 4980.97,3353.97 U2.42@4980.97,3421.09
FSMC_A17: U1.81 U2.43 | length 655.7
  Top Layer w10: U1.81@4419.93,3199.32 4557.61,3337 4924,3337 4949.47,3362.47 U2.43@4949.47,3421.09
FSMC_A18: U1.82 U2.44 | length 629.2
  Top Layer w10: U1.82@4406.01,3213.23 4549.78,3357 4907,3357 4917.98,3367.98 U2.44@4917.98,3421.09
FSMC_D0: 2.4'/2.8'LCD1.6 U1.85 U2.7 | length 2691.6
  Top Layer w10: v1(4355,2922) 4285,2992 4285,3175.74 U1.85@4364.25,3254.99 ; v1(5106.95,2797.05) U2.7@5106.95,2948.65 5106.95,2995.95 5278,3167 5502,3167 5885,3550 6030.16,3550 2.4'/2.8'LCD1.6@6080.24,3600.08 ; 2.4'/2.8'LCD1.6@6061.61,3600.08 cw(c6016.66,3600.08) 6048.45,3568.29 cw(c6080.24,3536.5) 2.4'/2.8'LCD1.6@6080.24,3581.46
  Bottom Layer w10: v1(4355,2922) 4836,2922 4960.95,2797.05 v1(5106.95,2797.05)
FSMC_D1: 2.4'/2.8'LCD1.7 U1.86 U2.8 | length 2559.5
  Top Layer w10: v1(4300,2942) 4265,2977 4265,3183.58 U1.86@4350.33,3268.91 ; v1(5138.45,2822.45) U2.8@5138.45,2948.65 5138.45,2996.45 5289,3147 5521,3147 5874,3500 2.4'/2.8'LCD1.7@5980,3500 ; 2.4'/2.8'LCD1.7@5966.83,3486.83 ccw(c5935.04,3455.04) 5935.04,3500 ccw(c5935.04,3544.96) 2.4'/2.8'LCD1.7@5966.83,3513.17
  Bottom Layer w10: v1(4300,2942) 4858,2942 4977.55,2822.45 v1(5138.45,2822.45)
FSMC_D2: 2.4'/2.8'LCD1.8 U1.114 U2.9 | length 3038.3
  Top Layer w10: U1.114@3835.31,3505.54 4205,3135.86 v1(4205,2962) ; v1(5169.95,2854.05) U2.9@5169.95,2948.65 5169.95,2996.95 5300,3127 5542,3127 5865,3450 6030,3450 2.4'/2.8'LCD1.8@6080,3500 ; 2.4'/2.8'LCD1.8@6061.38,3500 cw(c6016.42,3500) 6048.21,3468.21 cw(c6080,3436.42) 2.4'/2.8'LCD1.8@6080,3481.38
  Bottom Layer w10: v1(4205,2962) 4874,2962 4981.95,2854.05 v1(5169.95,2854.05)
FSMC_D3: 2.4'/2.8'LCD1.9 U1.115 U2.10 | length 2848.4
  Top Layer w10: U1.115@3821.4,3491.62 4180,3133.02 v1(4180,2982) ; v1(5201.44,2885.44) U2.10@5201.44,2948.65 5201.44,2998.44 5310,3107 5560,3107 5853.08,3400.08 2.4'/2.8'LCD1.9@5980.24,3400.08 ; 2.4'/2.8'LCD1.9@5967.07,3386.91 ccw(c5935.28,3355.12) 5935.28,3400.08 ccw(c5935.28,3445.04) 2.4'/2.8'LCD1.9@5967.07,3413.25
  Bottom Layer w10: v1(4180,2982) 4903,2982 4999.56,2885.44 v1(5201.44,2885.44)
FSMC_D4: 2.4'/2.8'LCD1.10 U1.58 U2.13 | length 2237.4
  Top Layer w10: U1.58@4336.41,2753.9 4433.31,2657 5073,2657 5295.93,2879.93 U2.13@5295.93,2948.65 5295.93,3007.93 5375,3087 5579,3087 5842,3350 6030.16,3350 2.4'/2.8'LCD1.10@6080.24,3400.08 ; 2.4'/2.8'LCD1.10@6061.61,3400.08 cw(c6016.66,3400.08) 6048.45,3368.29 cw(c6080.24,3336.5) 2.4'/2.8'LCD1.10@6080.24,3381.46
FSMC_D5: 2.4'/2.8'LCD1.11 U1.59 U2.14 | length 2070.6
  Top Layer w10: U1.59@4350.33,2767.81 4441.15,2677 v1(5058,2677) ; v1(5126,2677) 5327.43,2878.43 U2.14@5327.43,2948.65 5327.43,3005.43 5389,3067 5597,3067 5830.08,3300.08 2.4'/2.8'LCD1.11@5980.24,3300.08 ; 2.4'/2.8'LCD1.11@5967.07,3286.91 ccw(c5935.28,3255.12) 5935.28,3300.08 ccw(c5935.28,3345.04) 2.4'/2.8'LCD1.11@5967.07,3313.25
  Bottom Layer w10: v1(5058,2677) v1(5126,2677)
FSMC_D6: 2.4'/2.8'LCD1.12 U1.60 U2.15 | length 2147.7
  Top Layer w10: U1.60@4364.25,2781.73 4448.99,2697 v1(5028,2697) ; v1(5182,2697) 5358.92,2873.92 U2.15@5358.92,2948.65 5358.92,3003.92 5402,3047 5612,3047 5815,3250 6030.16,3250 2.4'/2.8'LCD1.12@6080.24,3300.08 ; 2.4'/2.8'LCD1.12@6061.61,3300.08 cw(c6016.66,3300.08) 6048.45,3268.29 cw(c6080.24,3236.5) 2.4'/2.8'LCD1.12@6080.24,3281.46
  Bottom Layer w10: v1(5028,2697) v1(5182,2697)
FSMC_D7: 2.4'/2.8'LCD1.13 U1.63 U2.16 | length 1932.1
  Top Layer w10: U1.63@4406.01,2823.49 4472.5,2757 v1(5013,2757) ; v1(5278,2757) 5390.42,2869.42 U2.16@5390.42,2948.65 5390.42,2999.42 5417,3026 5646,3026 5820.08,3200.08 2.4'/2.8'LCD1.13@5980.24,3200.08 ; 2.4'/2.8'LCD1.13@5967.07,3186.91 ccw(c5935.28,3155.12) 5935.28,3200.08 ccw(c5935.28,3245.04) 2.4'/2.8'LCD1.13@5967.07,3213.25
  Bottom Layer w10: v1(5013,2757) v1(5278,2757)
FSMC_D8: 2.4'/2.8'LCD1.14 U1.64 U2.29 | length 2194.3
  Top Layer w10: U1.64@4419.93,2837.41 4480.34,2777 4600,2777 4905,3082 5127,3082 v1(5390.42,3345.42) U2.29@5390.42,3421.09
  Bottom Layer w10: v1(5390.42,3345.42) 5398.84,3337 5595,3337 5780,3152 ; v1@5391.83,3346.83 ccw(c5415.57,3370.57) 5415.57,3337 ; 5780,3150 6030.16,3150 2.4'/2.8'LCD1.14@6080.24,3200.08 ; 2.4'/2.8'LCD1.14@6061.61,3200.08 cw(c6016.66,3200.08) 6048.45,3168.29 cw(c6080.24,3136.5) 2.4'/2.8'LCD1.14@6080.24,3181.46
FSMC_D9: 2.4'/2.8'LCD1.15 U1.65 U2.30 | length 2043.5
  Top Layer w10: U1.65@4433.85,2851.33 4488.18,2797 4587,2797 4897,3107 5118,3107 v1(5358.92,3347.92) U2.30@5358.92,3421.09
  Bottom Layer w10: v1(5358.92,3347.92) 5389.84,3317 5575,3317 5791.92,3100.08 2.4'/2.8'LCD1.15@5980.24,3100.08 ; 2.4'/2.8'LCD1.15@5967.07,3086.91 ccw(c5935.28,3055.12) 5935.28,3100.08 ccw(c5935.28,3145.04) 2.4'/2.8'LCD1.15@5967.07,3113.25
FSMC_D10: 2.4'/2.8'LCD1.16 U1.66 U2.31 | length 2169.8
  Top Layer w10: U1.66@4447.77,2865.25 4496.02,2817 4577,2817 4892,3132 5106,3132 v1(5327.43,3353.43) U2.31@5327.43,3421.09
  Bottom Layer w10: v1(5327.43,3353.43) 5327.43,3335.57 5366,3297 5563,3297 5810,3050 6030.16,3050 2.4'/2.8'LCD1.16@6080.24,3100.08 ; 2.4'/2.8'LCD1.16@6061.61,3100.08 cw(c6016.66,3100.08) 6048.45,3068.29 cw(c6080.24,3036.5) 2.4'/2.8'LCD1.16@6080.24,3081.46
FSMC_D11: 2.4'/2.8'LCD1.17 U1.67 U2.32 | length 2048.9
  Top Layer w10: U1.67@4461.69,2879.17 4503.86,2837 4569,2837 4889,3157 5095,3157 v1(5295.93,3357.93) U2.32@5295.93,3421.09
  Bottom Layer w10: v1(5295.93,3357.93) 5295.93,3332.07 5351,3277 5549,3277 5825.92,3000.08 2.4'/2.8'LCD1.17@5980.24,3000.08 ; 2.4'/2.8'LCD1.17@5967.07,2986.91 ccw(c5935.28,2955.12) 5935.28,3000.08 ccw(c5935.28,3045.04) 2.4'/2.8'LCD1.17@5967.07,3013.25
FSMC_D12: 2.4'/2.8'LCD1.18 U1.68 U2.35 | length 2159.4
  Top Layer w10: U1.68@4475.61,2893.09 4511.7,2857 4554,2857 4874,3177 5072,3177 v1(5201.44,3306.44) U2.35@5201.44,3421.09
  Bottom Layer w10: v1(5201.44,3306.44) 5250.88,3257 5523,3257 5830,2950 6030.16,2950 2.4'/2.8'LCD1.18@6080.24,3000.08 ; 2.4'/2.8'LCD1.18@6061.61,3000.08 cw(c6016.66,3000.08) 6048.45,2968.29 cw(c6080.24,2936.5) 2.4'/2.8'LCD1.18@6080.24,2981.46
FSMC_D13: 2.4'/2.8'LCD1.19 U1.77 U2.36 | length 1939.8
  Top Layer w10: U1.77@4475.61,3143.64 4528.97,3197 5051,3197 v1(5169.95,3315.95) U2.36@5169.95,3421.09
  Bottom Layer w10: v1(5169.95,3315.95) 5169.95,3289.05 5222,3237 5502,3237 5838.92,2900.08 2.4'/2.8'LCD1.19@5980.24,2900.08 ; 2.4'/2.8'LCD1.19@5967.07,2886.91 ccw(c5935.28,2855.12) 5935.28,2900.08 ccw(c5935.28,2945.04) 2.4'/2.8'LCD1.19@5967.07,2913.25
FSMC_D14: 2.4'/2.8'LCD1.20 U1.78 U2.37 | length 2124.3
  Top Layer w10: U1.78@4461.69,3157.56 4521.13,3217 5029,3217 v1(5138.45,3326.45) U2.37@5138.45,3421.09
  Bottom Layer w10: v1(5138.45,3326.45) 5138.45,3237.01 5405.46,2970 5735,2970 5855,2850 6030.16,2850 2.4'/2.8'LCD1.20@6080.24,2900.08 ; 2.4'/2.8'LCD1.20@6061.61,2900.08 cw(c6016.66,2900.08) 6048.45,2868.29 cw(c6080.24,2836.5) 2.4'/2.8'LCD1.20@6080.24,2881.46
FSMC_D15: 2.4'/2.8'LCD1.21 U1.79 U2.38 | length 2038.3
  Top Layer w10: U1.79@4447.77,3171.48 4513.29,3237 5010,3237 v1(5106.95,3333.95) U2.38@5106.95,3421.09
  Bottom Layer w10: v1(5106.95,3333.95) 5106.95,3232.05 5389,2950 5715,2950 5864.92,2800.08 2.4'/2.8'LCD1.21@5980.24,2800.08 ; 2.4'/2.8'LCD1.21@5967.07,2786.91 ccw(c5935.28,2755.12) 5935.28,2800.08 ccw(c5935.28,2845.04) 2.4'/2.8'LCD1.21@5967.07,2813.25
FSMC_NBL0: U1.141 U2.39 | length 1836.3
  Top Layer w10: U1.141@3459.49,3129.72 3524.21,3065 v1(3675,3065) ; v1(4538,3257) 4990,3257 5075.46,3342.46 U2.39@5075.46,3421.09
  Bottom Layer w10: v1(3675,3065) 3867,3257 v1(4538,3257)
FSMC_NBL1: U1.142 U2.40 | length 1832.2
  Top Layer w10: U1.142@3445.57,3115.8 3521.37,3040 v1(3595,3040) ; v1(4573,3277) 4976,3277 5043.96,3344.96 U2.40@5043.96,3421.09
  Bottom Layer w10: v1(3595,3040) 3832,3277 v1(4573,3277)
FSMC_NE3: R1.1 U1.125 U2.6 | length 1719.2
  Top Layer w10: U1.125@3682.2,3352.43 v1(4017.63,3017) ; v1(4983,3017) 5063,3017 5075.46,3004.54 U2.6@5075.46,2948.65 R1.1@5075.46,2863.5 ; R1.1@5067.86,2875.35 ccw(c5049.51,2893.7) 5075.46,2893.7 ccw(c5101.41,2893.7) R1.1@5083.06,2875.35
  Bottom Layer w10: v1(4017.63,3017) v1(4983,3017)
FSMC_NE4: 2.4'/2.8'LCD1.1 U1.127 | length 2637.8
  Top Layer w10: U1.127@3654.36,3324.59 v1(3707.95,3271) ; v1(4635,3651) 5300,3651 5449.08,3800.08 2.4'/2.8'LCD1.1@5980.24,3800.08 ; 2.4'/2.8'LCD1.1@5967.07,3786.91 ccw(c5935.28,3755.12) 5935.28,3800.08 ccw(c5935.28,3845.04) 2.4'/2.8'LCD1.1@5967.07,3813.25
  Bottom Layer w10: v1(3707.95,3271) 3798,3271 3867,3340 4324,3340 v1(4635,3651)
FSMC_NOE: 2.4'/2.8'LCD1.4 U1.118 U2.41 | length 2670
  Top Layer w10: U1.118@3779.64,3449.86 v1(3932.5,3297) ; v1(4608,3297) 4960,3297 5012.46,3349.46 U2.41@5012.46,3421.09 5012.46,3466.46 5033,3487 v1(5153,3487)
  Bottom Layer w10: v1(3932.5,3297) v1(4608,3297) ; v1(5153,3487) 5316,3650 6030.16,3650 2.4'/2.8'LCD1.4@6080.24,3700.08 ; 2.4'/2.8'LCD1.4@6061.61,3700.08 cw(c6016.66,3700.08) 6048.45,3668.29 cw(c6080.24,3636.5) 2.4'/2.8'LCD1.4@6080.24,3681.46
FSMC_NWE: 2.4'/2.8'LCD1.3 U1.119 U2.17 | length 3047.6
  Top Layer w10: U1.119@3765.72,3435.94 3900.66,3301 3900.66,3287.34 v1(4149,3039) ; v1(5421.91,2882.09) U2.17@5421.91,2948.65 v1(5421.91,3000.91) ; v1(5448,3192) 5795,3539 5795,3573 5922.08,3700.08 2.4'/2.8'LCD1.3@5980.24,3700.08 ; 2.4'/2.8'LCD1.3@5967.07,3686.91 ccw(c5935.28,3655.12) 5935.28,3700.08 ccw(c5935.28,3745.04) 2.4'/2.8'LCD1.3@5967.07,3713.25
  Bottom Layer w10: v1(4149,3039) 5082,3039 5238.91,2882.09 v1(5421.91,2882.09) ; v1(5421.91,3000.91) 5421.91,3165.91 v1(5448,3192)